# KiCad board haasoscope_pro_adc_fpga_board.kicad_pcb (continued)
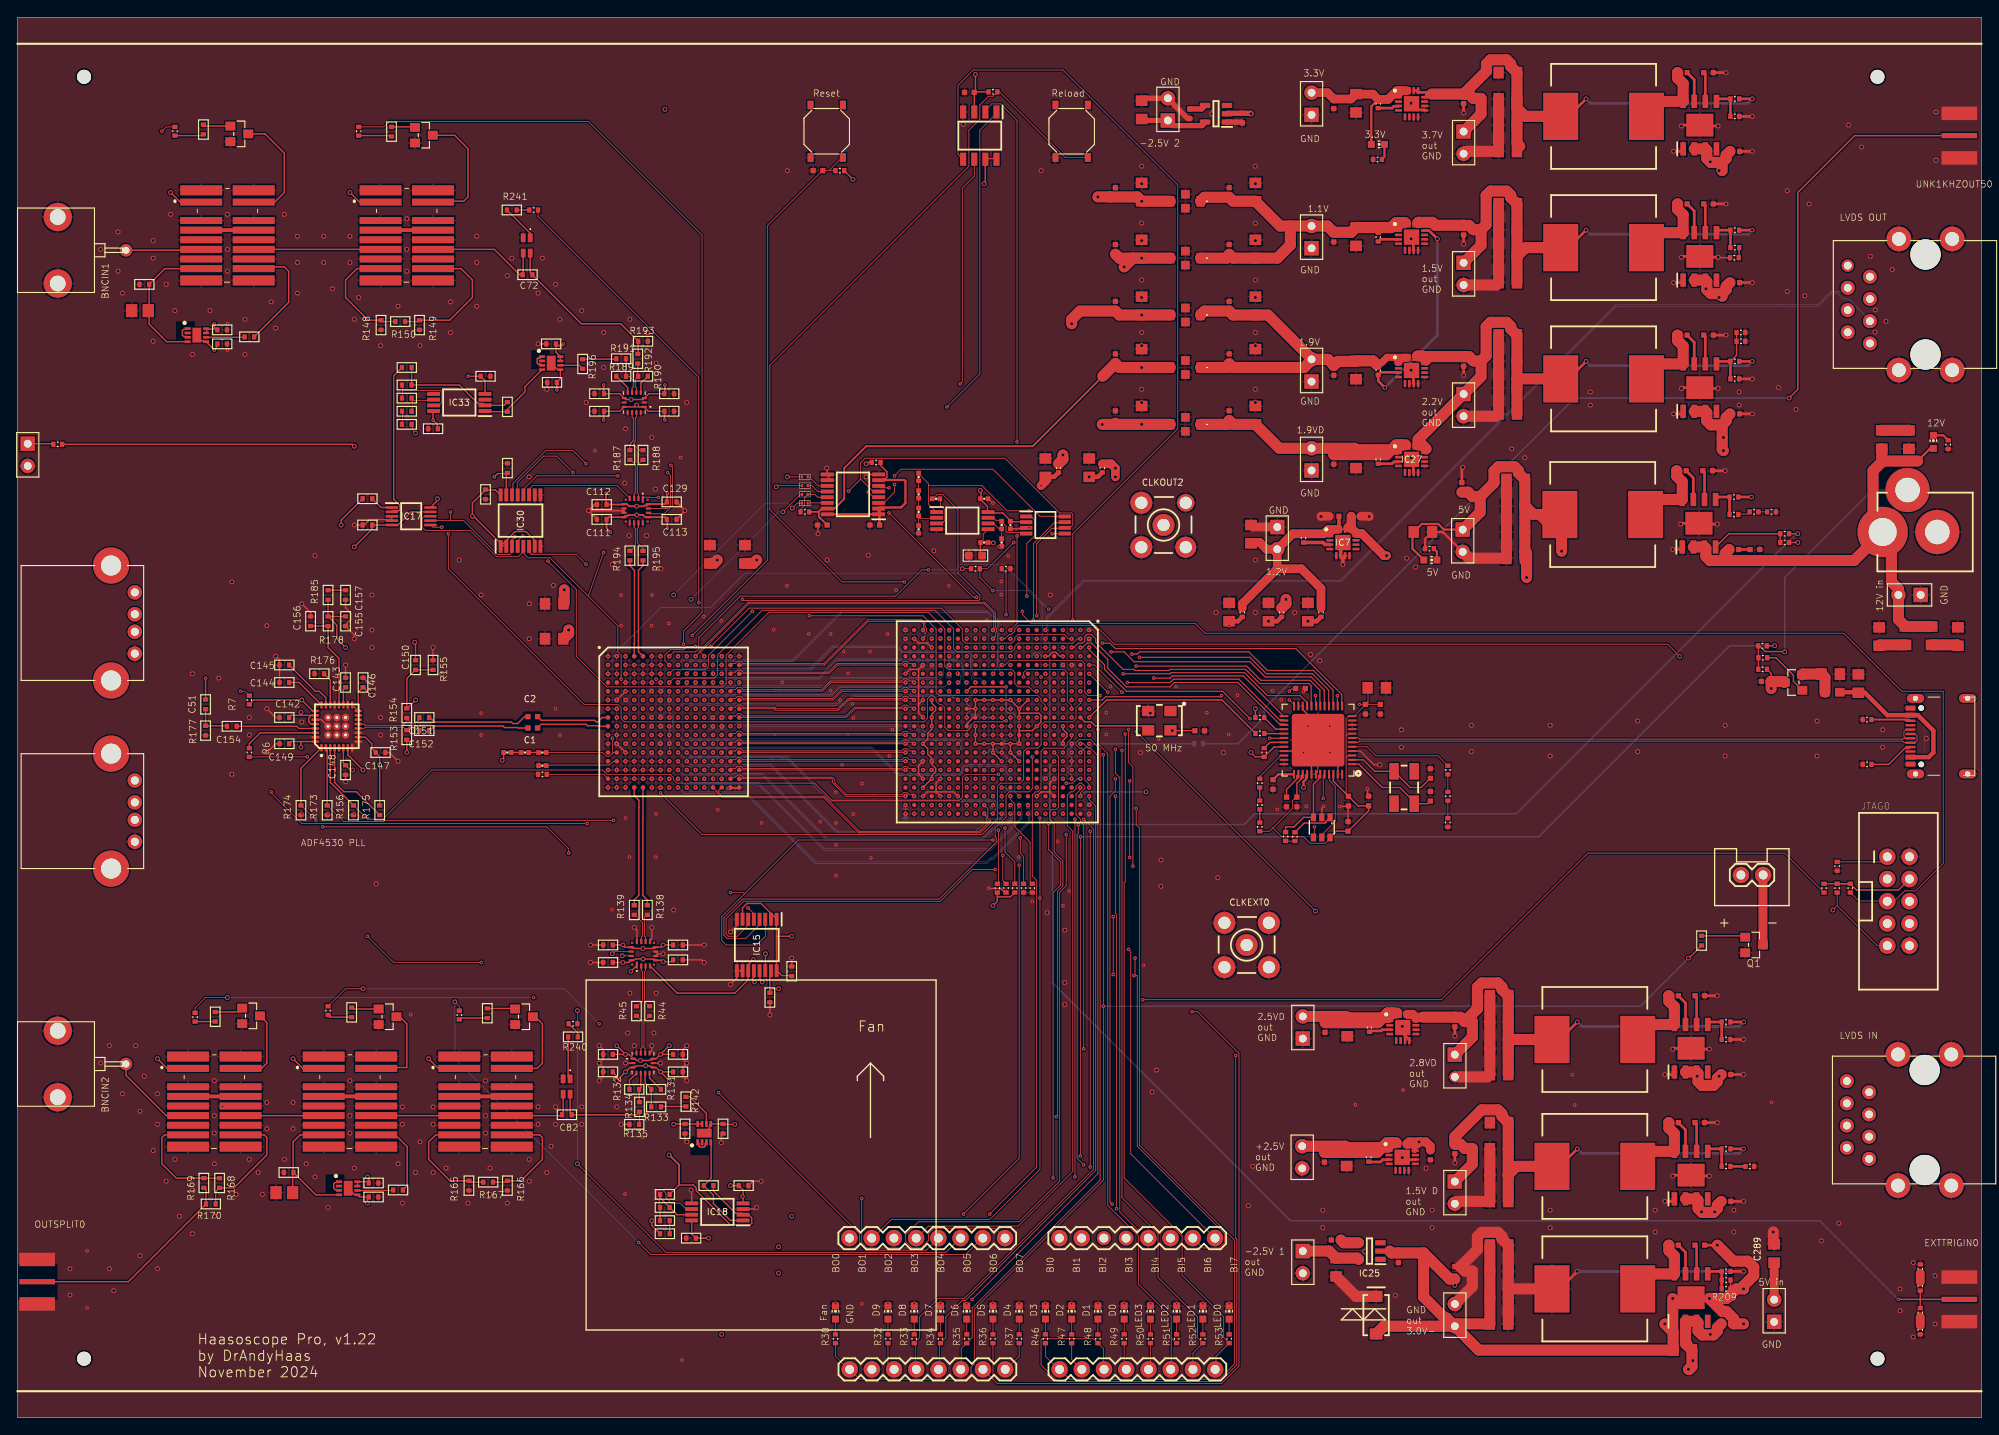
[diagram p0: board, top side]
## Routing (per net, layer and track width the routed paths; a pad name or vN(x,y) marks a point on that pad's centre or on a via; arc(x,y) is an arc through that point) (continued)
DB2_N: length 42.1
  Top w0.089: IC5.K22 v1(113.5,69.05)
  Bottom w0.089: v1(113.5,69.05) 113.55,69 113.55,68.4 113.15,68 112.15,68 111.45,67.29 111.35,67.29 111.17,67.11 111.08,67.05 111.05,67.05 110.13,66.13 92.63,66.13 85.15,73.6 76.9,73.6 v1(76.5,74)
  Bottom w0.152: R65.2 113.47,69.08 113.55,69
DB2_P: length 44.7
  Top w0.089: IC5.K21 v1(113.5,69.95)
  Bottom w0.089: v1(113.5,69.95) 113.73,69.72 113.73,69.35 113.87,69.2 113.87,68.9 113.73,68.75 113.73,68.33 113.22,67.82 112.5,67.82 112.23,67.82 111.52,67.12 111.43,67.12 111.32,67 111.32,67 111.19,66.91 111.15,66.87 111.13,66.87 110.2,65.95 92.55,65.95 85.08,73.42 76.08,73.42 v1(75.5,74)
  Bottom w0.152: v1(113.5,69.95) 113.4,69.85 R65.1
DB3_N: length 40.8
  Top w0.089: IC5.L22 v1(112.5,69.05)
  Bottom w0.089: v1(76.5,75) 76.9,74.6 86.15,74.6 93.75,67 109.5,67 109.57,67.16 109.73,67.32 109.96,67.32 111.15,68.5 112.3,68.5 112.55,68.75 112.55,69 v1(112.5,69.05)
  Bottom w0.152: 112.55,69 112.47,69.08 R66.2
DB3_P: length 43.3
  Top w0.089: IC5.L21 v1(112.5,69.95)
  Bottom w0.089: v1(112.5,69.95) 112.73,69.72 112.73,69.35 112.87,69.2 112.87,68.9 112.73,68.75 112.73,68.68 112.37,68.32 111.5,68.32 111.22,68.32 110.04,67.14 109.92,67.14 109.77,66.98 109.77,66.88 109.6,66.84 109.57,66.82 93.68,66.82 86.08,74.42 76.08,74.42 v1(75.5,75)
  Bottom w0.152: R66.1 112.3,69.75 v1(112.5,69.95)
DB4_N: length 39.5
  Top w0.089: IC5.M22 v1(111.5,69.05)
  Bottom w0.089: v1(111.5,69.05) 111.78,69.33 111.78,69.7 111.87,69.8 111.87,70.1 111.78,70.2 111.78,70.47 111.67,70.58 102.07,70.58 102.04,70.6 100.96,70.6 100.93,70.58 92.92,70.58 87.97,75.53 87.65,75.53 87.49,75.53 87.47,75.55 76.95,75.55 v1(76.5,76)
  Bottom w0.152: v1(111.5,69.05) 111.32,69.05 R67.2
DB4_P: length 39.3
  Top w0.089: IC5.M21 v1(111.5,69.95)
  Bottom w0.089: 111.5,69.93 v1(111.5,69.95) 111.6,70.05 111.6,70.4 101.97,70.4 101.97,70.42 101.03,70.42 101.03,70.4 92.85,70.4 87.9,75.35 87.58,75.35 87.58,75.35 87.45,75.35 87.45,75.35 87.3,75.35 87.28,75.37 76.13,75.37 v1(75.5,76)
  Bottom w0.152: R67.1 111.5,69.93
DB5_N: length 39.7
  Bottom w0.089: R68.2 113.25,73.83 113.05,74.02 113.05,74.23 112.67,74.61 108.48,74.61 108.42,74.55 108.27,74.55 107.95,74.23 107.95,74.08 107.87,74 107.87,73.85 107.82,73.8 107.82,73.77 107.6,73.55 100.7,73.55 97.65,76.6 76.9,76.6 v1(76.5,77)
  Bottom w0.152: R68.2 v1(113.5,74)
DB5_P: length 41
  Bottom w0.089: v1(75.5,77) 76.08,76.42 97.58,76.42 100.63,73.37 107.67,73.37 108.05,73.75 108.05,73.93 108.13,74.01 108.13,74.15 108.35,74.37 108.49,74.37 108.55,74.43 112.59,74.43 112.87,74.15 112.87,73.85 113.5,73.22 R68.1
  Bottom w0.152: R68.1 v1(113.5,73)
DB6_N: length 41
  In7.Cu w0.089: v1(78.5,72) 79.05,71.45 85.32,71.45 89.18,67.6 89.18,67.5 91.68,65 109,65 111.9,67.9 111.9,70.6 v1(111.5,71)
  Bottom w0.089: R69.2 v1(111.5,71)
DB6_P: length 43.4
  In7.Cu w0.089: v1(111.5,72) 112.08,71.42 112.08,67.83 109.07,64.82 91.6,64.82 89,67.43 89,67.52 85.25,71.27 78.23,71.27 v1(77.5,72)
  Bottom w0.089: R69.1 v1(111.5,72)
DB7_N: length 38.8
  In7.Cu w0.089: v1(78.5,73) 78.9,72.6 86.65,72.6 92.75,66.5 109,66.5 110.7,68.2 110.78,68.36 110.78,68.43 110.85,68.5 110.85,68.82 110.87,68.85 110.87,69.15 110.85,69.18 110.85,69.82 110.87,69.85 110.87,70.15 110.85,70.18 110.85,70.65 v1(110.5,71)
  Bottom w0.089: R70.2 v1(110.5,71)
DB7_P: length 41.2
  In7.Cu w0.089: v1(110.5,72) 111.03,71.47 111.03,70.25 111.05,70.23 111.05,69.77 111.03,69.75 111.03,69.25 111.05,69.23 111.05,68.77 111.03,68.75 111.03,68.43 110.98,68.38 110.88,68.13 109.07,66.32 92.68,66.32 86.58,72.42 78.08,72.42 v1(77.5,73)
  Bottom w0.089: R70.1 v1(110.5,72)
DB8_N: length 40.1
  In7.Cu w0.089: v1(78.5,74) 78.9,73.6 89.15,73.6 94.75,68 109.5,68 109.95,68.45 109.95,72.07 109.95,73.45 v1(110.5,74)
  Bottom w0.152: R71.2 v1(110.5,74)
DB8_P: length 40.4
  In7.Cu w0.089: v1(77.5,74) 78.08,73.42 89.08,73.42 94.68,67.82 109.57,67.82 110.13,68.38 110.13,72 110.13,72 110.13,72.39 110.5,72.76 v1(110.5,73)
  Bottom w0.152: R71.1 v1(110.5,73)
DB9_N: length 34
  In7.Cu w0.089: v1(78.5,75) 78.95,74.55 92.2,74.55 94.25,72.5 95.25,72.5 97.15,70.6 107.8,70.6 107.8,70.71 107.84,70.74 107.84,70.84 107.9,70.9 107.9,72.4 v1(108.5,73)
  Bottom w0.152: R72.2 v1(108.5,73)
DB9_P: length 34.9
  In7.Cu w0.089: v1(77.5,75) 78.13,74.37 92.13,74.37 94.18,72.32 95.18,72.32 97.08,70.42 107.87,70.42 107.98,70.53 107.98,70.63 108.08,70.76 108.08,71.59 108.08,71.6 108.08,72.18 108.16,72.26 108.24,72.26 v1(108.5,72)
  Bottom w0.152: R72.1 v1(108.5,72)
DB10_N: length 31.5
  In7.Cu w0.089: v1(106.5,71) 106.87,71.37 106.87,72.15 106.39,72.63 105.91,72.63 105.75,72.6 97.65,72.6 94.7,75.55 78.95,75.55 v1(78.5,76)
  Bottom w0.089: R73.2 v1(106.5,71)
DB10_P: length 30.8
  In7.Cu w0.089: v1(77.5,76) 78.13,75.37 94.63,75.37 97.58,72.42 105.75,72.42 105.84,72.37 106.21,72 v1(106.5,72)
  Bottom w0.089: R73.1 v1(106.5,72)
DB11_N: length 27.9
  In7.Cu w0.089: v1(103.5,74) 103,74.5 103,74.72 103.05,74.77 103.05,75.23 103,75.28 103,75.72 103.05,75.77 103.05,76.23 103,76.28 103,76.57 102.9,76.68 102.7,76.68 102.65,76.63 102.35,76.63 102.3,76.68 101.7,76.68 101.65,76.63 101.35,76.63 101.3,76.68 100.93,76.68 100.92,76.67 100.76,76.65 100.56,76.65 100.52,76.6 85.04,76.6 78.9,76.6 v1(78.5,77)
  Bottom w0.152: R74.2 v1(103.5,74)
DB11_P: length 30.4
  In7.Cu w0.089: v1(77.5,77) 78.08,76.42 85,76.42 100.59,76.42 100.62,76.45 101,76.5 101.22,76.5 101.27,76.45 101.73,76.45 101.78,76.5 102.22,76.5 102.27,76.45 102.73,76.45 102.78,76.5 102.82,76.5 102.82,76.2 102.87,76.15 102.87,75.85 102.82,75.8 102.82,75.2 102.87,75.15 102.87,74.85 102.82,74.8 102.82,74.2 102.87,74.15 102.87,74 103.24,73.63 104.13,73.63 v1(104.5,74)
  Bottom w0.152: R74.1 v1(104.5,74)
DBCLK_N: length 33.4
  Top w0.089: IC5.T15 v1(107.5,76.05)
  Bottom w0.089: v1(76.5,78) 76.95,77.55 106.57,77.55 106.57,77.55 106.68,77.55 106.69,77.54 106.85,77.53 107.67,77.53 107.83,77.37 107.83,77.15 107.87,77.1 107.87,76.8 107.83,76.75 107.83,76.38 v1(107.5,76.05)
  Bottom w0.152: R75.2 107.5,76.08 v1(107.5,76.05)
DBCLK_P: length 33.1
  Top w0.089: IC5.T14 v1(107.5,76.95)
  Bottom w0.089: v1(107.5,76.95) 107.65,77.1 107.65,77.3 107.6,77.35 106.78,77.35 106.77,77.35 106.61,77.36 106.6,77.37 106.5,77.37 76.13,77.37 v1(75.5,78)
  Bottom w0.152: R75.1 107.42,76.95 v1(107.5,76.95)
DBSTR_N: length 32.3
  Top w0.089: IC5.T13 v1(107.5,78.05)
  In7.Cu w0.089: v1(76.5,79) 76.95,78.55 99.2,78.55 100.15,77.6 107.05,77.6 107.06,77.61 107.44,77.61 107.69,77.86 v1(107.5,78.05)
  Bottom w0.152: v1(107.5,78.05) R76.2
DBSTR_P: length 34.8
  In7.Cu w0.089: v1(107.5,79) 107.88,78.62 107.88,77.98 107.93,77.92 107.92,77.92 107.92,77.78 107.56,77.43 107.13,77.43 107.12,77.42 100.08,77.42 99.13,78.37 76.13,78.37 v1(75.5,79)
  Bottom w0.152: v1(107.5,79) R76.1
DC0_N: length 30
  Top w0.089: IC5.V1 v1(105.5,89.95)
  In2.Cu w0.089: v1(80.5,87) 80.09,87.41 80.09,87.5 80.59,88 85.5,88 86.68,86.82 95.57,86.82 95.68,86.93 95.68,86.95 95.75,87 100.25,91.5 104.75,91.5 105.55,90.7 105.55,90 v1(105.5,89.95)
  Bottom w0.152: R77.2 v1(105.5,89.95)
DC0_P: length 31.7
  Top w0.089: IC5.V2 v1(105.5,89.05)
  In2.Cu w0.089: v1(105.5,89.05) 105.73,89.28 105.73,89.65 105.87,89.8 105.87,90.1 105.73,90.25 105.73,90.77 104.82,91.68 100.18,91.68 95.64,87.14 95.62,87.13 95.6,87.13 95.5,87.02 95.5,87 86.75,87 85.57,88.18 80.52,88.18 79.91,87.57 79.91,87.41 v1(79.5,87)
  Bottom w0.152: R77.1 v1(105.5,89.05)
DC1_N: length 27.2
  Top w0.089: IC1.B14 v1(80.45,86) ; IC5.W1 v1(104.5,89.95)
  In2.Cu w0.089: v1(104.5,89.95) 104.14,89.59 101.06,89.59 101,89.65 100.85,89.65 99.82,88.62 99.82,86.5 99.75,86.5 99.25,86 84.43,86 84.38,85.95 80.5,85.95 v1(80.45,86)
  Bottom w0.152: R94.2 v1(104.5,89.95)
DC1_P: length 28.3
  Top w0.089: IC5.W2 v1(104.5,89.05)
  In2.Cu w0.089: v1(104.5,89.05) 104.14,89.41 100.99,89.41 100.92,89.47 100,88.55 100,86.43 99.9,86.32 99.82,86.32 99.32,85.82 84.5,85.82 84.45,85.77 80.75,85.77 80.6,85.63 80.3,85.63 80.15,85.77 79.73,85.77 v1(79.5,86)
  Bottom w0.152: R94.1 v1(104.5,89.05)
DC2_N: length 32.6
  Top w0.089: IC1.C14 v1(80.45,85)
  In2.Cu w0.089: v1(110.5,83) 110.9,83.4 110.9,84.13 110.65,84.37 110.63,84.37 110.55,84.45 110.27,84.45 110.25,84.47 109.75,84.47 109.73,84.45 109.27,84.45 109.25,84.47 106.75,84.47 106.73,84.45 106.27,84.45 106.25,84.47 105.28,84.47 105.12,84.32 104.83,84.3 104.73,84.4 85.2,84.4 85.03,84.23 84.71,84.23 84.68,84.32 84,85 v1(80.45,85)
  Bottom w0.089: v1(110.5,83) 110.5,83.03 R95.2
DC2_P: length 34.2
  Top w0.089: IC5.M8 v1(111.44,83) ; IC1.C13 v1(79.55,85)
  In2.Cu w0.089: v1(79.55,85) 79.73,85.18 80.1,85.18 80.3,85.37 80.6,85.37 80.8,85.18 84.07,85.18 84.75,84.5 84.91,84.51 84.98,84.58 104.6,84.58 104.62,84.6 104.98,84.6 105.05,84.5 105.2,84.65 106.32,84.65 106.35,84.63 106.65,84.63 106.68,84.65 109.32,84.65 109.35,84.63 109.65,84.63 109.68,84.65 110.32,84.65 110.35,84.63 110.62,84.63 110.7,84.55 110.73,84.55 111.08,84.2 111.08,83.36 v1(111.44,83)
  Bottom w0.089: v1(111.44,83) 111.39,83.05 R95.1
DC3_N: length 24.8
  Top w0.089: IC1.D14 v1(80.45,84) ; IC5.Y10 v1(103.55,81)
  In2.Cu w0.089: v1(80.45,84) 80.9,84 81,83.9 81,83.77 81.32,83.45 81.45,83.45 81.83,83.07 83.93,83.07 84.68,82.32 100.07,82.32 100.13,82.37 101.18,81.32 101.3,81.32 101.35,81.37 101.65,81.37 101.7,81.32 102.3,81.32 102.35,81.37 102.65,81.37 102.7,81.32 103.18,81.32 IC5.Y10 v1(103.55,81)
  Bottom w0.152: R96.2 v1(103.55,81)
DC3_P: length 26.9
  Top w0.089: IC1.D13 v1(79.55,84) ; IC5.W10 v1(104.45,81)
  In2.Cu w0.089: v1(79.55,84) 79.73,84.18 80.1,84.18 80.3,84.37 80.78,84.37 81.18,83.97 81.18,83.85 81.4,83.63 81.52,83.63 81.9,83.25 84,83.25 84.75,82.5 100,82.5 100.05,82.55 100.2,82.55 101.24,81.51 101.27,81.55 101.73,81.55 101.78,81.5 102.22,81.5 102.27,81.55 102.73,81.55 102.78,81.5 103.25,81.5 103.39,81.36 103.4,81.37 103.7,81.37 104.08,81 v1(104.45,81)
  Bottom w0.152: R96.1 v1(104.45,81)
DC4_N: length 30.3
  Top w0.089: IC5.U14 v1(106.45,77) ; IC1.E14 v1(80.45,83)
  In2.Cu w0.089: v1(106.45,77) 106,77 105.92,77.08 105.92,77.15 105.7,77.37 105.63,77.37 105.18,77.82 105.18,78.8 105.13,78.85 105.13,79.15 105.18,79.2 105.18,79.8 105.13,79.85 105.13,79.99 105.05,80.07 105.05,80.23 104.73,80.55 104.27,80.55 104.22,80.5 103.88,80.5 103.78,80.6 103.32,80.6 103.22,80.5 102.78,80.5 102.73,80.55 101.27,80.55 101.22,80.5 85.25,80.5 85.11,80.6 84.92,80.79 84.81,80.79 84.77,80.83 84.76,80.83 84.68,80.88 84.68,80.9 84.57,81 84.1,81 82.21,82.89 81.75,82.89 81.7,82.95 80.5,82.95 v1(80.45,83)
  Bottom w0.152: R97.2 v1(106.45,77)
DC4_P: length 30.5
  Top w0.089: IC5.V14 v1(105.55,77) ; IC1.E13 v1(79.55,83)
  In2.Cu w0.089: v1(79.55,83) 79.78,82.77 80.15,82.77 80.3,82.63 80.6,82.63 80.75,82.77 81.62,82.77 81.68,82.72 82.13,82.72 84.03,80.82 84.5,80.82 84.5,80.81 84.7,80.61 84.81,80.61 84.96,80.46 84.99,80.46 85.18,80.32 101.3,80.32 101.35,80.37 102.65,80.37 102.7,80.32 103.3,80.32 103.4,80.42 103.7,80.42 103.8,80.32 104.3,80.32 104.35,80.37 104.65,80.37 104.87,80.15 104.87,80 104.95,79.92 104.95,79.77 105,79.72 105,79.28 104.95,79.23 104.95,78.77 105,78.72 105,77.75 105.55,77.2 v1(105.55,77)
  Bottom w0.152: R97.1 v1(105.55,77)
DC5_N: length 28.9
  Top w0.089: IC1.F14 v1(80.45,82)
  In2.Cu w0.089: v1(80.45,82) 82,82 84.68,79.32 100.18,79.32 101.18,78.32 101.3,78.32 101.35,78.37 101.65,78.37 101.7,78.32 102.3,78.32 102.35,78.37 102.65,78.37 102.7,78.32 103,78.32 103,78.28 102.95,78.23 102.95,77.77 103,77.72 103,77.28 102.95,77.23 102.95,76.64 103.17,76.42 104.7,76.42 105.11,76 v1(105.5,76)
  Bottom w0.089: v1(105.5,76) R98.2
DC5_P: length 31.2
  Top w0.089: IC5.U15 v1(106.49,76) ; IC1.F13 v1(79.55,82)
  In2.Cu w0.089: v1(79.55,82) 79.73,82.18 80.1,82.18 80.3,82.37 80.6,82.37 80.8,82.18 82.07,82.18 84.75,79.5 100.25,79.5 101.24,78.51 101.27,78.55 101.73,78.55 101.78,78.5 102.22,78.5 102.27,78.55 102.73,78.55 102.78,78.5 103.07,78.5 103.18,78.4 103.18,78.2 103.13,78.15 103.13,77.85 103.18,77.8 103.18,77.2 103.13,77.15 103.13,76.71 103.24,76.59 104.62,76.59 104.67,76.64 105.17,76.64 105.21,76.6 105.89,76.6 v1(106.49,76)
  Bottom w0.152: R98.1 v1(106.49,76)
DC6_N: length 29.9
  Top w0.089: IC1.G14 v1(80.45,81) ; IC5.U17 v1(106.5,74.05)
  In2.Cu w0.089: v1(80.45,81) 81,81 82.63,79.37 82.65,79.37 82.87,79.15 82.87,79.13 84.68,77.32 99.5,77.32 100.5,76.32 100.5,75.43 100.95,74.98 100.95,74.77 101.27,74.45 101.48,74.45 101.55,74.37 101.65,74.37 101.7,74.32 102.3,74.32 102.35,74.37 103.07,74.37 103.11,74.41 106.14,74.41 v1(106.5,74.05)
  Bottom w0.152: R99.2 v1(106.5,74.05)
DC6_P: length 31
  Top w0.089: IC1.G13 v1(79.55,81) ; IC5.U16 v1(106.5,74.95)
  In2.Cu w0.089: v1(106.5,74.95) 106.14,74.59 103,74.59 103,74.55 102.27,74.55 102.22,74.5 101.78,74.5 101.73,74.55 101.63,74.55 101.55,74.63 101.35,74.63 101.13,74.85 101.13,75.05 100.68,75.5 100.68,76.4 99.57,77.5 84.75,77.5 83.05,79.2 83.05,79.23 82.73,79.55 82.7,79.55 81.07,81.18 80.8,81.18 80.6,81.37 80.3,81.37 80.1,81.18 79.73,81.18 v1(79.55,81)
  Bottom w0.152: R99.1 v1(106.5,74.95)
DC7_N: length 24.1
  Top w0.089: IC1.B16 92.25,86 97.25,91 103.25,91 103.55,90.7 103.55,90.05 v1(103.5,90)
  Bottom w0.152: R100.2 v1(103.5,90)
DC7_P: length 27
  Top w0.089: v1(103.5,89) 103.73,89.23 103.73,89.63 103.92,89.83 103.92,90.17 103.73,90.37 103.73,90.77 103.32,91.18 97.18,91.18 92.18,86.18 82.94,86.18 82.94,86.18 82.68,86.44 82.32,86.44 82.06,86.18 82.06,86.18 81.68,86.18 IC1.B15
  Bottom w0.152: R100.1 v1(103.5,89)
DC8_N: length 19.6
  Top w0.089: IC1.C16 92.75,85 93.75,86 v1(101.5,86)
  Bottom w0.152: R101.2 v1(101.5,86)
DC8_P: length 22.2
  Top w0.089: v1(102.5,86) 102.32,86.18 101.92,86.18 101.67,86.42 101.33,86.42 101.08,86.18 93.68,86.18 92.68,85.18 82.94,85.18 82.94,85.18 82.68,85.44 82.32,85.44 82.06,85.18 82.06,85.18 81.68,85.18 IC1.C15
  Bottom w0.152: R101.1 v1(102.5,86)
DC9_N: length 21.6
  Top w0.089: IC1.D16 v1(82.45,84)
  In2.Cu w0.089: v1(103.5,84) 103.15,83.65 102.68,83.65 102.65,83.63 102.35,83.63 102.32,83.65 101.68,83.65 101.65,83.63 101.35,83.63 101.32,83.65 82.8,83.65 v1(82.45,84)
  Bottom w0.152: v1(103.5,84) 103.55,83.95 R102.2
DC9_P: length 23.7
  Top w0.089: IC1.D15 v1(81.55,84)
  In2.Cu w0.089: v1(81.55,84) 82.08,83.47 101.25,83.47 101.27,83.45 101.73,83.45 101.75,83.47 102.25,83.47 102.27,83.45 102.73,83.45 102.75,83.47 103.97,83.47 v1(104.5,84)
  Bottom w0.152: R102.1 104.32,84 v1(104.5,84)
DC10_N: length 19.6
  Top w0.089: IC1.E16 86.57,83 86.58,83 87.1,83.02 92.02,83.02 93,84 v1(101.5,84)
  Bottom w0.152: R103.2 v1(101.5,84)
DC10_P: length 22.1
  Top w0.089: IC1.E15 81.68,83.18 82.06,83.18 82.06,83.18 82.32,83.44 82.68,83.44 82.94,83.18 82.94,83.18 86.5,83.18 86.5,83.18 86.57,83.18 87.02,83.2 87.03,83.2 91.95,83.2 92.93,84.18 101.08,84.18 101.33,84.42 101.67,84.42 101.92,84.18 102.32,84.18 v1(102.5,84)
  Bottom w0.152: R103.1 v1(102.5,84)
DC11_N: length 19.6
  Top w0.089: IC1.F16 93.25,82 94.25,83 v1(101.5,83)
  Bottom w0.152: R104.2 v1(101.5,83)
DC11_P: length 22.2
  Top w0.089: v1(102.5,83) 102.32,83.18 101.92,83.18 101.67,83.42 101.33,83.42 101.08,83.18 94.18,83.18 93.18,82.18 82.94,82.18 82.94,82.18 82.68,82.44 82.32,82.44 82.06,82.18 82.06,82.18 81.68,82.18 IC1.F15
  Bottom w0.152: R104.1 v1(102.5,83)
DCCLK_N: length 19.8
  Top w0.089: IC1.G16 86.5,81 86.5,80.93 86.6,80.82 93.82,80.82 95,82 v1(101.5,82)
  Bottom w0.152: R105.2 v1(101.5,82)
DCCLK_P: length 22.3
  Top w0.089: v1(102.5,82) 102.32,82.18 101.92,82.18 101.67,82.42 101.33,82.42 101.08,82.18 94.93,82.18 93.75,81 86.68,81 86.68,81.07 86.57,81.18 82.94,81.18 82.94,81.18 82.68,81.44 82.32,81.44 82.06,81.18 82.06,81.18 81.68,81.18 IC1.G15
  Bottom w0.152: R105.1 v1(102.5,82)
DCLK: length 57.9
  Top w0.089: v1(107.75,118.12) 108,118.38 108,140.5 109.36,141.87 IC6.6
  In7.Cu w0.089: v1(113.5,89) 113.5,89.38 113,89.88 113,91.12 110.75,93.38 110.75,115.12 v1(107.75,118.12)
DCSTR_N: length 19.6
  Top w0.089: v1(101.5,81) 95.75,81 94.75,80 IC1.H16
  Bottom w0.152: R106.2 v1(101.5,81)
DCSTR_P: length 22.2
  Top w0.089: v1(102.5,81) 102.32,81.18 101.92,81.18 101.67,81.42 101.33,81.42 101.08,81.18 95.68,81.18 94.68,80.18 82.94,80.18 82.94,80.18 82.68,80.44 82.32,80.44 82.06,80.18 82.06,80.18 81.68,80.18 IC1.H15
  Bottom w0.152: R106.1 v1(102.5,81)
DD0_N: length 35.2
  Top w0.089: IC1.T14 80.09,71.59 80.09,71.5 80.59,71 92.25,71 96.25,67 110,67 110.96,67.96 110.71,68.32 110.71,68.79 v1(110.5,69)
  Bottom w0.152: R107.2 v1(110.5,69)
DD0_P: length 37
  Top w0.089: v1(110.5,70) 110.92,69.58 110.92,68.65 110.89,68.62 110.89,68.49 111.18,68.21 111.22,68.21 111.18,67.97 111.13,67.93 111.13,67.87 110.07,66.82 96.18,66.82 92.18,70.82 80.52,70.82 79.91,71.43 79.91,71.59 IC1.T13
  Bottom w0.152: R107.1 v1(110.5,70)
DD1_N: length 36.5
  Top w0.089: IC5.P22 v1(109.5,69.03) ; IC1.R14 v1(80.45,73)
  In2.Cu w0.089: v1(80.45,73) 80.09,72.64 80.09,71.91 84.5,67.5 92.75,67.5 94.75,65.5 108.5,65.5 109.55,66.55 109.55,68.98 v1(109.5,69.03)
  Bottom w0.152: R108.2 v1(109.5,69.03)
DD1_P: length 38.2
  Top w0.089: IC5.P21 v1(109.5,69.93) ; IC1.R13 v1(79.55,73)
  In2.Cu w0.089: v1(79.55,73) 79.91,72.64 79.91,71.84 84.43,67.32 92.68,67.32 94.68,65.32 108.57,65.32 109.73,66.48 109.73,68.73 109.87,68.87 109.87,69.18 109.73,69.32 109.73,69.7 v1(109.5,69.93)
  Bottom w0.152: R108.1 v1(109.5,69.93)
DD2_N: length 33.6
  Top w0.089: IC1.P14 v1(80.45,74) ; IC5.R22 v1(108.5,69.05)
  In2.Cu w0.089: v1(108.5,69.05) 108.5,67.93 107.9,67.32 106.82,67.32 105.95,66.45 96.8,66.45 94.45,68.8 86.52,68.8 86.5,68.82 84.93,68.82 81.5,72.25 81.5,73 IC1.P14 v1(80.45,74)
  Bottom w0.152: R109.2 v1(108.5,69.05)
DD2_P: length 35.7
  Top w0.089: IC5.R21 v1(108.5,69.95) ; IC1.P13 v1(79.55,74)
  In2.Cu w0.089: v1(108.5,69.95) 108.32,69.77 108.32,69.4 108.13,69.2 108.13,68.9 108.32,68.7 108.32,68 107.82,67.5 106.75,67.5 105.87,66.63 96.87,66.63 94.52,68.98 86.6,68.98 86.57,69 85,69 81.68,72.32 81.68,73.19 80.82,74.05 80.82,74.15 80.6,74.37 80.3,74.37 80.1,74.18 79.73,74.18 v1(79.55,74)
  Bottom w0.152: R109.1 v1(108.5,69.95)
DD3_N: length 31.5
  Top w0.089: IC5.U22 v1(106.5,69.05) ; IC1.N14 v1(80.45,75)
  In2.Cu w0.089: v1(106.5,69.05) 106.5,68.43 106.33,68.07 105.52,67.27 97.83,67.27 96.5,68.6 96.5,70.03 96.2,70.32 89.14,70.32 85.1,70.32 84.5,70.93 84.5,71 IC1.N14
  In2.Cu w0.152: IC1.N14 v1(80.45,75)
  Bottom w0.089: R110.2 v1(106.5,69.05)
DD3_P: length 33.6
  Top w0.089: IC5.U21 v1(106.5,69.95) ; IC1.N13 v1(79.55,75)
  In2.Cu w0.089: v1(79.55,75) 79.73,75.18 80.1,75.18 80.3,75.37 80.6,75.37 80.82,75.15 80.82,75.05 84.68,71.19 84.68,71 85.18,70.5 89,70.5 96.28,70.5 96.68,70.1 96.68,68.67 97.9,67.45 105.45,67.45 106.12,68.12 106.32,68.62 106.32,68.7 106.13,68.9 106.13,69.2 106.32,69.4 106.32,69.77 v1(106.5,69.95)
  Bottom w0.152: R110.1 v1(106.5,69.95)
DD4_N: length 30.7
  Top w0.089: IC1.M14 80.45,75.95 v1(80.4,75.95) ; IC5.V22 v1(105.55,69.05)
  In2.Cu w0.089: v1(105.55,69.05) 105.55,68.3 105.27,68.02 99.23,68.02 97.82,69.43 97.82,71.18 97.2,71.8 95.95,71.8 95.93,71.82 85.18,71.82 81.05,75.95 v1(80.4,75.95)
  Bottom w0.152: v1(105.55,69.05) 105.55,69.12 R111.2
DD4_P: length 32.5
  In2.Cu w0.089: v1(105.5,70) 105.5,69.95 105.32,69.77 105.32,69.4 105.13,69.2 105.13,68.9 105.32,68.7 105.32,68.32 105.2,68.2 99.3,68.2 98,69.5 98,71.25 97.27,71.98 96.02,71.98 96,72 85.25,72 81.07,76.18 80.8,76.18 80.6,76.37 80.3,76.37 80.1,76.18 79.73,76.18 79.55,76 v1(79.5,76)
  Bottom w0.152: R111.1 v1(105.5,70)
DD5_N: length 28.2
  Top w0.089: IC1.L14 v1(80.45,77)
  In2.Cu w0.089: v1(80.45,77) 81.5,77 85.18,73.32 99.5,73.32 99.5,73.32 99.57,73.32 99.57,73.2 99.77,73 99.82,73 99.82,71.2 100.63,70.4 103.02,70.4 103.12,70.3 103.12,69.38 v1(103.5,69)
  Bottom w0.089: v1(103.5,69) R112.2
DD5_P: length 28.6
  Top w0.089: IC1.L13 v1(79.55,77)
  In2.Cu w0.089: v1(79.55,77) 79.73,77.18 80.1,77.18 80.3,77.37 80.6,77.37 80.8,77.18 81.57,77.18 85.25,73.5 99.57,73.5 99.58,73.5 99.65,73.5 99.75,73.39 99.75,73.29 99.85,73.18 99.9,73.18 100,73.07 100,71.28 100.7,70.58 103.1,70.58 103.3,70.37 103.3,70.2 v1(103.5,70)
  Bottom w0.152: R112.1 v1(103.5,70)
DD6_N: length 30.1
  Top w0.089: IC1.K14 v1(80.45,78)
  In2.Cu w0.089: v1(104.5,69) 104.32,69.18 104.32,69.65 104.13,69.85 104.13,70.15 104.32,70.35 104.32,71.15 104.43,71.25 104.5,71.25 104.5,71.45 104.27,71.45 103.95,71.77 103.95,72.07 103.75,72.27 101.48,72.27 100,73.75 100,74 98.68,75.32 84.68,75.32 82,78 v1(80.45,78)
  Bottom w0.152: R113.2 v1(104.5,69)
DD6_P: length 30.3
  Top w0.089: IC1.K13 v1(79.55,78)
  In2.Cu w0.089: v1(79.55,78) 79.73,78.18 80.1,78.18 80.3,78.37 80.6,78.37 80.8,78.18 82.07,78.18 84.75,75.5 98.75,75.5 100.18,74.07 100.18,73.82 101.55,72.45 103.82,72.45 104.13,72.15 104.13,71.85 104.35,71.63 104.65,71.63 104.68,71.6 104.68,71.18 104.57,71.07 104.5,71.07 v1(104.5,70)
  Bottom w0.152: R113.1 v1(104.5,70)
DD7_N: length 20.3
  Top w0.089: v1(101.5,71) 94.7,71 93.11,72.59 93.11,72.67 93.15,72.71 93.15,72.94 93,73 IC1.R16
  Bottom w0.089: v1(101.5,71) 101.67,71.18 R114.2
DD7_P: length 22.9
  Top w0.089: v1(102.5,71) 102.32,71.18 101.92,71.18 101.67,71.42 101.33,71.42 101.08,71.18 98,71.18 94.77,71.18 93.43,72.53 93.43,72.92 93.24,73.11 93.07,73.18 82.94,73.18 82.94,73.18 82.68,73.44 82.32,73.44 82.06,73.18 82.06,73.18 81.68,73.18 IC1.R15
  Bottom w0.089: v1(102.5,71) 102.32,71.18 R114.1
DD8_N: length 19.2
  Top w0.089: v1(101.5,74) IC1.P16
  Bottom w0.152: R115.2 v1(101.5,74)
DD8_P: length 21.7
  Top w0.089: v1(102.5,74) 102.32,74.18 101.92,74.18 101.67,74.42 101.33,74.42 101.08,74.18 82.94,74.18 82.94,74.18 82.68,74.44 82.32,74.44 82.06,74.18 82.06,74.18 81.68,74.18 IC1.P15
  Bottom w0.152: R115.1 v1(102.5,74)
DD9_N: length 19.2
  Top w0.089: IC1.N16 v1(101.5,75)
  Bottom w0.152: R116.2 v1(101.5,75)
DD9_P: length 21.7
  Top w0.089: IC1.N15 81.68,75.18 82.06,75.18 82.06,75.18 82.32,75.44 82.68,75.44 82.94,75.18 82.94,75.18 101.08,75.18 101.33,75.42 101.67,75.42 101.92,75.18 102.32,75.18 v1(102.5,75)
  Bottom w0.152: R116.1 v1(102.5,75)
DD10_N: length 19.2
  Top w0.089: v1(101.5,76) IC1.M16
  Bottom w0.152: R117.2 v1(101.5,76)
DD10_P: length 21.7
  Top w0.089: v1(102.5,76) 102.32,76.18 101.92,76.18 101.67,76.42 101.33,76.42 101.08,76.18 82.94,76.18 82.94,76.18 82.68,76.44 82.32,76.44 82.06,76.18 82.06,76.18 81.68,76.18 IC1.M15
  Bottom w0.152: R117.1 v1(102.5,76)
DD11_N: length 19.2
  Top w0.089: IC1.L16 v1(101.5,77)
  Bottom w0.152: R118.2 v1(101.5,77)
DD11_P: length 21.7
  Top w0.089: IC1.L15 81.68,77.18 82.06,77.18 82.06,77.18 82.32,77.44 82.68,77.44 82.94,77.18 82.94,77.18 101.08,77.18 101.33,77.42 101.67,77.42 101.92,77.18 102.32,77.18 v1(102.5,77)
  Bottom w0.152: R118.1 v1(102.5,77)
DDCLK_N: length 19.2
  Top w0.089: IC1.K16 86.5,78 94.86,78 v1(101.5,78)
  Bottom w0.152: R119.2 v1(101.5,78)
DDCLK_P: length 21.7
  Top w0.089: IC1.K15 81.68,78.18 82.06,78.18 82.06,78.18 82.32,78.44 82.68,78.44 82.94,78.18 82.94,78.18 86.5,78.18 101.08,78.18 101.33,78.42 101.67,78.42 101.92,78.18 102.32,78.18 v1(102.5,78)
  Bottom w0.152: R119.1 v1(102.5,78)
DDSTR_N: length 21.7
  Bottom w0.089: v1(82.5,79) 102.55,79 103.55,78 v1(103.5,78)
  Bottom w0.152: R120.2 v1(103.5,78)
DDSTR_P: length 24
  Bottom w0.089: v1(81.5,79) 81.55,79 81.73,79.18 82.1,79.18 82.3,79.37 82.65,79.37 82.85,79.18 102.82,79.18 103.13,78.87 103.13,78.85 103.35,78.63 103.37,78.63 103.63,78.37 103.65,78.37 103.68,78.35 103.87,78.35 103.97,78.25 103.97,78.03 104,78 v1(104.5,78)
  Bottom w0.152: R120.1 v1(104.5,78)
DEBUGOUT0: length 78.5
  Top w0.089: v1(122.62,28.62) v1(122.62,67) ; J13.5 126.62,5.5 126.5,5.62 R49.P$1
  In2.Cu w0.089: J13.5 126.75,5.5 127.75,6.5 127.75,22.75 122.62,27.88 v1(122.62,28.62) ; v1(122.62,67) 122.88,67.25 122.88,77.25 122.5,77.62 v1(122.5,78)
DEBUGOUT1: length 114.9
  Top w0.089: v1(139.25,41.38) 139.25,20.5 139.38,20.38 139.38,6 137.5,4.12 118.88,4.12 117,6 117,8.88 117.12,9 123,9 R48.P$1 124.12,7.88 124.12,5.5 J13.6
  In7.Cu w0.089: v1(122.5,77) 122.5,76.62 135.5,63.62 135.5,45.12 v1(139.25,41.38)
DEBUGOUT2: length 77.1
  Top w0.089: v1(125.12,24.38) 124.88,24.62 124.88,71 125.5,71.62 v1(125.5,73) ; J13.7 121.62,5.5 120.5,6.62 R47.P$1
  In2.Cu w0.089: J13.7 121.75,5.5 125.12,8.88 v1(125.12,24.38)
  In7.Cu w0.089: v1(125.5,73) v1(122.5,76)
DEBUGOUT3: length 100.7
  Top w0.089: v1(127.88,69.62) 127.88,67.75 128.25,67.38 128.25,31.12 139.12,20.25 139.12,6.12 137.38,4.38 120.25,4.38 119.12,5.5 J13.8 119,5.5 117.5,7 R46.P$1
  In7.Cu w0.089: v1(127.88,69.62) v1(122.5,75)
DEBUGOUT4: length 78.8
  Top w0.089: J11.1 113,5.5 114.5,7 R37.P$1 ; v1(125.62,23.88) 125.62,57.5 125.5,57.62 v1(125.5,71)
  In7.Cu w0.089: v1(125.5,71) v1(122.5,74) ; v1(125.62,23.88) 125.62,18.75 113,6.12 113,5.5 J11.1
DEBUGOUT5: length 109.5
  Top w0.089: 111.5,4.38 110.38,5.5 J11.2 ; 111.5,4.38 112,3.88 137.62,3.88 139.62,5.88 139.62,41.62 134.88,46.38 v1(134.25,46.38) ; 111.5,4.38 R36.P$1
  In7.Cu w0.089: v1(122.5,73) 122.5,72.75 134.25,61 v1(134.25,46.38)
DEBUGOUT6: length 86.8
  Top w0.089: J11.3 107.88,5.5 107.88,7.88 R35.P$1 109.12,9.12 109.12,12.5 123.75,27.12 123.75,76.38 122.62,77.5 121.38,77.5 121,77.12 121,76.88 121.38,76.5 121.62,76.5 122,76.12 122,72.88 122.5,72.38 v1(122.5,72)
